# Altium PCB MOTHER_BOARD_V1.0_TEST.PcbDoc (part 2 of 2)
Units mm, origin at the board's own origin, x right, y up, seen from the top; angles counter-clockwise.
Board outline 320 x 91 mm, 6 copper layers (Top Layer, Layer 2, Layer 3, Layer 4, Layer 5, Bottom Layer), stack 1.509 mm thick; 140 components, 446 nets, 1029 pads, 95 vias.
Unrouted connection lines stored in the file: 1411.
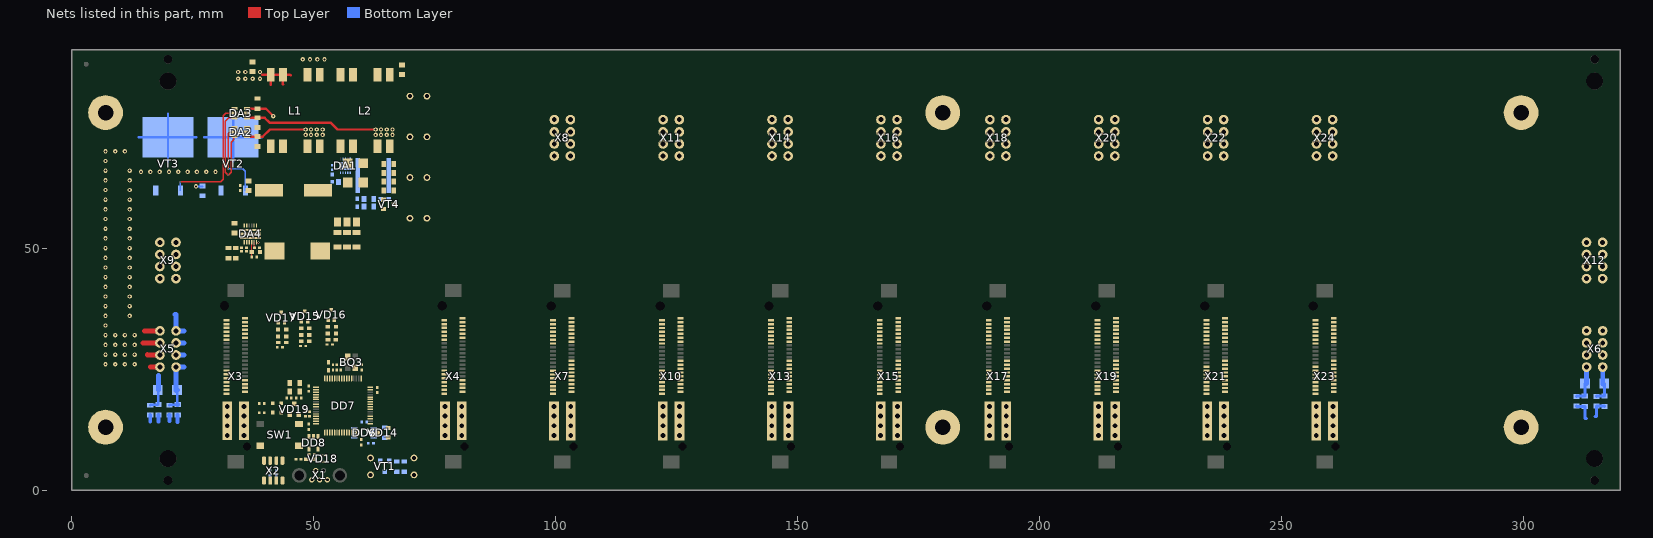
[diagram p6: the nets of this part, all layers, seen from the top]

## Via types
v1: diameter 0.9, hole 0.4, Top Layer to Bottom Layer, tented both sides, 91 vias
v2: diameter 0.4, hole 0.2, Top Layer to Bottom Layer, tented both sides, 4 vias

## Nets (pads, with @x,y where several pads share a name; then routed paths per layer and width w, separated by ;. In a path a pad name is that pad's centre, name@x,y a point inside that pad or via, vN(x,y) a via of type N, cw(c..) or ccw(c..) an arc to the next point about the centre after c; other vN are vias at no path point)
6390_INT: 
+1V1: 
+1V2: 
+1V5: 
+2V5: X7.27 X10.27 X13.27 X15.27 X17.27 X19.27 X21.27 X23.27
+3V3: C179.2 DD6.8 X7.28 X10.28 X13.28 X15.28 X17.28 X19.28 X21.28 X23.28
+3V3_BMC: C183.2 C185.2 C186.2 C187.2 C188.1 DA1.8 DD7.1 DD7.19 DD7.32 DD7.48 DD7.64 DD8.4 L3.2 L19.2 R2.1 R3.2 R4.2 R6.2 R7.2 R70.2 R71.2 R72.2 R73.2 R74.2 R75.2 VT1.2 X2.7 X2.8
+5V0: C21.1 C22.1 C23.1 L5.2 R12.2 R14.2 R15.2 R16.2 R17.2 VT4.2
+5V0_PG: DA4.5 DD7.17
+U_PoE: X8.1 X8.3 X8.5 X8.7 X11.1 X11.3 X11.5 X11.7 X14.1 X14.3 X14.5 X14.7 X16.1 X16.3 X16.5 X16.7 X18.1 X18.3 X18.5 X18.7 X20.1 X20.3 X20.5 X20.7 X22.1 X22.3 X22.5 X22.7 X24.1 X24.3 X24.5 X24.7
+U_PoE1: X9.1 X9.3 X9.5 X9.7
+U_PoE2: X12.1 X12.3 X12.5 X12.7
-U_PoE: X8.2 X8.4 X8.6 X8.8 X9.2 X9.4 X9.6 X9.8 X11.2 X11.4 X11.6 X11.8 X12.2 X12.4 X12.6 X12.8 X14.2 X14.4 X14.6 X14.8 X16.2 X16.4 X16.6 X16.8 X18.2 X18.4 X18.6 X18.8 X20.2 X20.4 X20.6 X20.8 X22.2 X22.4 X22.6 X22.8 X24.2 X24.4 X24.6 X24.8
AGND: C5.1 C8.1 C9.1 C10.1 C11.1 C12.1 C13.2 C14.2 C15.1 C16.1 C17.1 C18.1 C19.1 DA1.3@56.545,65.575 DA1.10 DA1.11 DA2.2 DA2.3 DA3.2 DA4.2 DA4.9 DA4.11 K1.1 K2.1 K3.1 L1.6 L1.7 L2.6 L2.7 L4.1 R1.1 R5.2 R8.2 R10.1 X3.P5 X3.P6 X3.P7 X3.P8 X4.P5 X4.P6 X4.P7 X4.P8 X7.P5 X7.P6 X7.P7 X7.P8 X10.P5 X10.P6 X10.P7 X10.P8 X13.P5 X13.P6 X13.P7 X13.P8 X15.P5 X15.P6 X15.P7 X15.P8 X17.P5 X17.P6 X17.P7 X17.P8 X19.P5 X19.P6 X19.P7 X19.P8 X21.P5 X21.P6 X21.P7 X21.P8 X23.P5 X23.P6 X23.P7 X23.P8 | length 1.6
  Bottom Layer w0.3: C13.2@27.025,62.75 C13.2@27.025,62.825
  Bottom Layer w0.4: v1@25.45,62.75 C13.2@27.025,62.75
  other v1: 25.7,62.75
BMC_ADC1: C176.2 DD7.15 R58.2 R59.2 VD15.3
BMC_ADC2: C177.2 DD7.14 R60.2 R61.2 VD16.3
BMC_ADC3: C178.2 DD7.16 R62.2 R63.2 VD17.3
BMC_LED1: DD7.24 HL2.1
BMC_LED2: DD7.25 HL1.1
BMC_SYS_PWR_ON: DD7.22 R9.2
BMC_USB_N: DD7.44 VD18.4
BMC_USB_P: DD7.45 VD18.6
BUF_P9_SGMII_RX_N: X4.39
BUF_P9_SGMII_RX_P: X4.37
BUF_P9_SGMII_TX_N: X4.33
BUF_P9_SGMII_TX_P: X4.31
BUF_P10_SGMII_RX_N: X4.40
BUF_P10_SGMII_RX_P: X4.38
BUF_P10_SGMII_TX_N: X4.34
BUF_P10_SGMII_TX_P: X4.32
CPU_MDC: DD7.33 X3.6
CPU_MDIO: DD7.34 X3.8
CPU_PTP_SYNC: X3.10 X4.10
CPU_TXRX_A_N: X3.38
CPU_TXRX_A_P: X3.37
CPU_TXRX_B_N: X3.40
CPU_TXRX_B_P: X3.39
CPU_TXRX_C_N: X3.32
CPU_TXRX_C_P: X3.31
CPU_TXRX_D_N: X3.34
CPU_TXRX_D_P: X3.33
DBG_USB_N: VD18.3 X1.2
DBG_USB_P: VD18.1 X1.3
EE_DOUT: 
GND: C21.2 C22.2 C23.2 C175.2 C176.1 C177.1 C178.1 C179.1 C180.2 C181.2 C182.1 C183.1 C184.1 C185.1 C186.1 C187.1 C188.2 DD6.5 DD7.12 DD7.18 DD7.31 DD7.47 DD7.60 DD7.63 DD8.2 DD8.5 K1.2 K2.2 K3.2 R13.2 R59.1 R61.1 R63.1 R65.2 SC4.2 SC6.2 SW1.2 SW1.4 VD14.3 VD15.1 VD16.1 VD17.1 VD18.2 VT1.1 VT4.1 X1.5 X2.1 X2.3 X2.5 X3.1 X3.3 X3.5 X3.7 X3.29 X3.30 X3.35 X3.36 X4.1 X4.3 X4.5 X4.7 X4.29 X4.30 X4.35 X4.36 X7.1 X7.3 X7.5 X7.7 X7.29 X7.30 X7.35 X7.36 X10.1 X10.3 X10.5 X10.7 X10.29 X10.30 X10.35 X10.36 X13.1 X13.3 X13.5 X13.7 X13.29 X13.30 X13.35 X13.36 X15.1 X15.3 X15.5 X15.7 X15.29 X15.30 X15.35 X15.36 X17.1 X17.3 X17.5 X17.7 X17.29 X17.30 X17.35 X17.36 X19.1 X19.3 X19.5 X19.7 X19.29 X19.30 X19.35 X19.36 X21.1 X21.3 X21.5 X21.7 X21.16 X21.29 X21.30 X21.35 X21.36 X23.1 X23.3 X23.5 X23.7 X23.16 X23.29 X23.30 X23.35 X23.36
GND_BMC: L4.2 SC2.2
MCU_RESET: VD19.1 X2.2
MCU_SCL: DD7.29 DD8.1 R75.1
MCU_SDA: DD7.30 DD8.3 R74.1
MCU_SWC: DD7.49 R73.1 X2.4
MCU_SWD: DD7.46 R70.1 X2.6
NetBQ1_1: 
NetBQ1_3: 
NetBQ2_1: 
NetBQ2_3: 
NetBQ3_1: BQ3.1 C180.1 DD7.5
NetBQ3_3: BQ3.3 C181.1 DD7.6
NetC10_2: C10.2 DA1.4
NetC11_2: C11.2 C12.2 R2.2
NetC16_2: C16.2 R11.1
NetC17_2: C17.2 DA4.14 | length 1.1
  Top Layer w0.2: C17.2@37.675,50.25 37.825,50.1 C17.2@37.85,50.1 ; C17.2@37.675,50.35 DA4.14@37.675,51.2
NetC19_2: C19.2 DA4.12 R11.2
NetC20_1: C20.1 DA4.8 L5.1
NetC20_2: C20.2 DA4.6
NetC29_1: 
NetC29_2: 
NetC30_1: 
NetC30_2: 
NetC31_1: 
NetC31_2: 
NetC32_1: 
NetC32_2: 
NetC67_1: 
NetC68_1: 
NetC69_1: 
NetC70_1: 
NetC73_2: 
NetC74_2: 
NetC75_2: 
NetC76_2: 
NetC111_2: 
NetC112_2: 
NetC113_2: 
NetC114_2: 
NetC115_2: 
NetC116_2: 
NetC117_2: 
NetC118_2: 
NetC119_2: 
NetC120_2: 
NetC121_2: 
NetC122_2: 
NetC123_2: 
NetC124_2: 
NetC125_2: 
NetC126_2: 
NetC127_1: 
NetC128_1: 
NetC129_1: 
NetC130_1: 
NetC131_1: 
NetC132_1: 
NetC133_1: 
NetC134_1: 
NetC135_1: 
NetC136_1: 
NetC137_1: 
NetC138_1: 
NetC139_1: 
NetC140_1: 
NetC141_1: 
NetC142_1: 
NetC143_1: 
NetC144_1: 
NetC145_1: 
NetC146_1: 
NetC147_1: 
NetC148_1: 
NetC149_1: 
NetC150_1: 
NetC151_1: 
NetC152_1: 
NetC153_1: 
NetC154_1: 
NetC155_1: 
NetC156_1: 
NetC157_1: 
NetC158_1: 
NetC159_2: 
NetC160_2: 
NetC161_2: 
NetC162_2: 
NetC163_2: 
NetC164_2: 
NetC165_2: 
NetC166_2: 
NetC167_2: 
NetC168_2: 
NetC169_2: 
NetC170_2: 
NetC171_2: 
NetC172_2: 
NetC173_2: 
NetC174_2: 
NetC175_1: C175.1 L18.1 X1.1
NetC189_2: 
NetDA1_1: DA1.1@57.545,65.575 L3.1
NetDA1_5: DA1.5 R1.2
NetDA2_5: DA2.5 VT2.1 | length 16.5
  Top Layer w0.3: v2(32.309,66.409) 32.309,73.594 32.677,73.962 DA2.5@33.643,73.962
  Bottom Layer w0.3: v2(32.309,66.409) 35.341,66.409 35.903,65.847 VT2.1@35.903,61.892
NetDA3_5: DA3.5 VT3.1 | length 26.6
  Top Layer w0.3: v2(22.438,63.675) 30.775,63.675 31.3,64.2 31.3,77.325 31.854,77.879 DA3.5@33.643,77.879
  Bottom Layer w0.3: v2(22.438,63.675) 22.445,63.675 VT3.1@22.445,61.892
NetDA4_10: DA4.10 R10.2
NetDA4_13: DA4.13 R12.1 R13.1 | length 3
  Top Layer w0.2: R12.1@37.175,49.2 R12.1@37.188,49.188 ; DA4.13@37.175,51.2 37.188,51.188 R12.1@37.188,49.188 ; R13.1@37.2,48.2 37.188,48.213 R12.1@37.188,49.188 ; R12.1@37.2,49.175 R12.1@37.188,49.188
NetDA5_4: 
NetDA6_4: 
NetDA7_4: 
NetDA8_4: 
NetDA10_5: 
NetDA11_5: 
NetDD1_48: 
NetDD2_6: 
NetDD3_2: 
NetDD3_3: 
NetDD4_5: 
NetDD4_10: 
NetDD4_11: 
NetDD4_12: 
NetDD4_13: 
NetDD4_15: 
NetDD4_76: 
NetDD4_102: 
NetDD7_7: DD7.7 VD19.3
NetHL1_2: HL1.2 R71.1
NetHL2_2: HL2.2 R72.1
NetL15_2: L15.2 R58.1
NetL16_2: L16.2 R60.1
NetL17_2: L17.2 R62.1
NetL18_2: L18.2 VD18.5
NetR3_1: R3.1 R4.1 SC1.1 VT1.3
NetR14_1: R14.1 R15.1 R16.1 R17.1 SC3.1 SC5.1 VT4.3
NetR20_2: 
NetR21_1: 
NetSC1_2: SC1.2 SC2.1
NetSC3_2: SC3.2 SC4.1
NetSC5_2: SC5.2 SC6.1
NetSW1_3: SW1.3 VD19.2
P0_AVDDH: 
P0_AVDDL: 
P0_AVDDL_PLL: 
P0_DVDDH: 
P0_DVDDL: 
P0_LED1: 
P0_LED2: 
P0_RX_CLK: 
P0_RX_DV: 
P0_RXD0: 
P0_RXD1: 
P0_RXD2: 
P0_RXD3: 
P0_TX_CLK: 
P0_TX_EN: 
P0_TXD0: 
P0_TXD1: 
P0_TXD2: 
P0_TXD3: 
P0_TXRX_A_N: 
P0_TXRX_A_P: 
P0_TXRX_B_N: 
P0_TXRX_B_P: 
P0_TXRX_C_N: 
P0_TXRX_C_P: 
P0_TXRX_D_N: 
P0_TXRX_D_P: 
P1_MDC: DD7.51 X7.6
P1_MDIO: DD7.52 X7.8
P1_PTP_SYNC: X7.10
P1_RESET: X7.12
P1_SW_ADDR0: X7.9
P1_SW_ADDR1: X7.11
P1_SW_ADDR2: X7.13
P1_SW_ADDR3: X7.15
P1_SW_ADDR4: X7.17
P1_TXRX_A_N: X7.38
P1_TXRX_A_P: X7.40
P1_TXRX_B_N: X7.37
P1_TXRX_B_P: X7.39
P1_TXRX_C_N: X7.32
P1_TXRX_C_P: X7.34
P1_TXRX_D_N: X7.31
P1_TXRX_D_P: X7.33
P2_MDC: DD7.39 X10.6
P2_MDIO: DD7.40 X10.8
P2_PTP_SYNC: X10.10
P2_RESET: X10.12
P2_SW_ADDR0: X10.9
P2_SW_ADDR1: X10.11
P2_SW_ADDR2: X10.13
P2_SW_ADDR3: X10.15
P2_SW_ADDR4: X10.17
P2_TXRX_A_N: X10.38
P2_TXRX_A_P: X10.40
P2_TXRX_B_N: X10.37
P2_TXRX_B_P: X10.39
P2_TXRX_C_N: X10.32
P2_TXRX_C_P: X10.34
P2_TXRX_D_N: X10.31
P2_TXRX_D_P: X10.33
P3_MDC: DD7.8 X13.6
P3_MDIO: DD7.9 X13.8
P3_PTP_SYNC: X13.10
P3_RESET: X13.12
P3_SW_ADDR0: X13.9
P3_SW_ADDR1: X13.11
P3_SW_ADDR2: X13.13
P3_SW_ADDR3: X13.15
P3_SW_ADDR4: X13.17
P3_TXRX_A_N: X13.38
P3_TXRX_A_P: X13.40
P3_TXRX_B_N: X13.37
P3_TXRX_B_P: X13.39
P3_TXRX_C_N: X13.32
P3_TXRX_C_P: X13.34
P3_TXRX_D_N: X13.31
P3_TXRX_D_P: X13.33
P4_MDC: DD7.10 X15.6
P4_MDIO: DD7.11 X15.8
P4_PTP_SYNC: X15.10
P4_RESET: X15.12
P4_SW_ADDR0: X15.9
P4_SW_ADDR1: X15.11
P4_SW_ADDR2: X15.13
P4_SW_ADDR3: X15.15
P4_SW_ADDR4: X15.17
P4_TXRX_A_N: X15.38
P4_TXRX_A_P: X15.40
P4_TXRX_B_N: X15.37
P4_TXRX_B_P: X15.39
P4_TXRX_C_N: X15.32
P4_TXRX_C_P: X15.34
P4_TXRX_D_N: X15.31
P4_TXRX_D_P: X15.33
P5_MDC: DD7.35 X17.6
P5_MDIO: DD7.36 X17.8
P5_PTP_SYNC: X17.10
P5_RESET: X17.12
P5_SW_ADDR0: X17.9
P5_SW_ADDR1: X17.11
P5_SW_ADDR2: X17.13
P5_SW_ADDR3: X17.15
P5_SW_ADDR4: X17.17
P5_TXRX_A_N: X17.38
P5_TXRX_A_P: X17.40
P5_TXRX_B_N: X17.37
P5_TXRX_B_P: X17.39
P5_TXRX_C_N: X17.32
P5_TXRX_C_P: X17.34
P5_TXRX_D_N: X17.31
P5_TXRX_D_P: X17.33
P6_MDC: DD7.37 X19.6
P6_MDIO: DD7.38 X19.8
P6_PTP_SYNC: X19.10
P6_RESET: X19.12
P6_SW_ADDR0: X19.9
P6_SW_ADDR1: X19.11
P6_SW_ADDR2: X19.13
P6_SW_ADDR3: X19.15
P6_SW_ADDR4: X19.17
P6_TXRX_A_N: X19.38
P6_TXRX_A_P: X19.40
P6_TXRX_B_N: X19.37
P6_TXRX_B_P: X19.39
P6_TXRX_C_N: X19.32
P6_TXRX_C_P: X19.34
P6_TXRX_D_N: X19.31
P6_TXRX_D_P: X19.33
P7_MDC: DD7.56 X21.6
P7_MDIO: DD7.57 X21.8
P7_PTP_SYNC: X21.10
P7_RESET: X21.12
P7_SW_ADDR0: X21.9
P7_SW_ADDR1: X21.11
P7_SW_ADDR2: X21.13
P7_SW_ADDR3: X21.15
P7_SW_ADDR4: X21.17
P7_TXRX_A_N: X21.38
P7_TXRX_A_P: X21.40
P7_TXRX_B_N: X21.37
P7_TXRX_B_P: X21.39
P7_TXRX_C_N: X21.32
P7_TXRX_C_P: X21.34
P7_TXRX_D_N: X21.31
P7_TXRX_D_P: X21.33
P8_MDC: DD7.58 X23.6
P8_MDIO: DD7.59 X23.8
P8_PTP_SYNC: X23.10
P8_RESET: X23.12
P8_SW_ADDR0: X23.9
P8_SW_ADDR1: X23.11
P8_SW_ADDR2: X23.13
P8_SW_ADDR3: X23.15
P8_SW_ADDR4: X23.17
P8_TXRX_A_N: X23.38
P8_TXRX_A_P: X23.40
P8_TXRX_B_N: X23.37
P8_TXRX_B_P: X23.39
P8_TXRX_C_N: X23.32
P8_TXRX_C_P: X23.34
P8_TXRX_D_N: X23.31
P8_TXRX_D_P: X23.33
P9_P10_MDC: X4.6
P9_P10_MDIO: X4.8
P9_SGMII_RX_N: 
P9_SGMII_RX_P: 
P9_SGMII_TX_N: 
P9_SGMII_TX_P: 
P10_SGMII_RX_N: 
P10_SGMII_RX_P: 
P10_SGMII_TX_N: 
P10_SGMII_TX_P: 
PHY1_TXRX_A_N: 
PHY1_TXRX_A_P: 
PHY1_TXRX_B_N: 
PHY1_TXRX_B_P: 
PHY1_TXRX_C_N: 
PHY1_TXRX_C_P: 
PHY1_TXRX_D_N: 
PHY1_TXRX_D_P: 
PHY2_TXRX_A_N: 
PHY2_TXRX_A_P: 
PHY2_TXRX_B_N: 
PHY2_TXRX_B_P: 
PHY2_TXRX_C_N: 
PHY2_TXRX_C_P: 
PHY2_TXRX_D_N: 
PHY2_TXRX_D_P: 
PHY3_TXRX_A_N: 
PHY3_TXRX_A_P: 
PHY3_TXRX_B_N: 
PHY3_TXRX_B_P: 
PHY3_TXRX_C_N: 
PHY3_TXRX_C_P: 
PHY3_TXRX_D_N: 
PHY3_TXRX_D_P: 
PHY4_TXRX_A_N: 
PHY4_TXRX_A_P: 
PHY4_TXRX_B_N: 
PHY4_TXRX_B_P: 
PHY4_TXRX_C_N: 
PHY4_TXRX_C_P: 
PHY4_TXRX_D_N: 
PHY4_TXRX_D_P: 
PHY5_TXRX_A_N: 
PHY5_TXRX_A_P: 
PHY5_TXRX_B_N: 
PHY5_TXRX_B_P: 
PHY5_TXRX_C_N: 
PHY5_TXRX_C_P: 
PHY5_TXRX_D_N: 
PHY5_TXRX_D_P: 
PHY6_TXRX_A_N: 
PHY6_TXRX_A_P: 
PHY6_TXRX_B_N: 
PHY6_TXRX_B_P: 
PHY6_TXRX_C_N: 
PHY6_TXRX_C_P: 
PHY6_TXRX_D_N: 
PHY6_TXRX_D_P: 
PHY7_TXRX_A_N: 
PHY7_TXRX_A_P: 
PHY7_TXRX_B_N: 
PHY7_TXRX_B_P: 
PHY7_TXRX_C_N: 
PHY7_TXRX_C_P: 
PHY7_TXRX_D_N: 
PHY7_TXRX_D_P: 
PHY8_TXRX_A_N: 
PHY8_TXRX_A_P: 
PHY8_TXRX_B_N: 
PHY8_TXRX_B_P: 
PHY8_TXRX_C_N: 
PHY8_TXRX_C_P: 
PHY8_TXRX_D_N: 
PHY8_TXRX_D_P: 
PVIN: C13.1 C14.1 C15.2 C18.2 DA2.6 DA3.6 DA4.1 DA4.7 L17.1 VT2.3 VT3.3 X3.P1 X3.P2 X3.P3 X3.P4 X4.P1 X4.P2 X4.P3 X4.P4 X7.P1 X7.P2 X7.P3 X7.P4 X10.P1 X10.P2 X10.P3 X10.P4 X13.P1 X13.P2 X13.P3 X13.P4 X15.P1 X15.P2 X15.P3 X15.P4 X17.P1 X17.P2 X17.P3 X17.P4 X19.P1 X19.P2 X19.P3 X19.P4 X21.P1 X21.P2 X21.P3 X21.P4 X23.P1 X23.P2 X23.P3 X23.P4 | length 22.1
  Top Layer w0.3: DA2.6@33.643,73.012 33.635,73.012 33.475,72.852 33.475,72.375 32.95,71.85 32.95,65.675 v2(32.35,65.075) 31.728,65.697 31.728,76.178 32.479,76.929 DA3.6@33.643,76.929
PVIN_BMC: C5.2 DA1.2@57.045,65.575 DA1.7 VD1.2 VD2.2
RESET_FROM_CPU: X3.12 X4.12
RS485_AB_N: DD6.7 R64.1 VD14.1 X3.4 X4.4 X7.4 X10.4 X13.4 X15.4 X17.4 X19.4 X21.4 X23.4
RS485_AB_P: DD6.6 R64.2 VD14.2 X3.2 X4.2 X7.2 X10.2 X13.2 X15.2 X17.2 X19.2 X21.2 X23.2
SHIELD: C1.2 C2.1 C3.2 C4.1 pad.M3 RU1.1 RU2.2 RU3.1 RU4.2 | length 14.6
  Bottom Layer w0.6: C3.2@310.95,17.35 310.95,17.25 RU3.1@312.675,17.25 312.675,14.75 313.025,14.75 ; 314.775,15.2 315.05,15.2 C4.1@315.05,17.35 316.725,17.35 RU4.2@316.725,17.25
  Bottom Layer w0.8: 16.233,14.125 C1.2@16.233,15.541 ; 17.917,14.175 RU1.1@17.917,15.517 ; C2.1@20.05,15.541 C2.1@20.202,15.541 20.202,14.25
  Bottom Layer w0.83: 21.886,14.025 RU2.2@21.886,15.517
SW_MDC: DD7.28
SW_MDIO: DD7.55
SW_PHY_MDC: 
SW_PHY_MDIO: 
SYS_PWR_ON: DA4.15 R8.1 R9.1 X3.14 X4.14 X7.14 X10.14 X13.14 X15.14 X17.14 X19.14 X21.14 X23.14 | length 0.5
  Top Layer w0.2: DA4.15@38.175,51.2 38.175,51.165 38.215,51.125 v2(38.625,51.125)
SYS_RESET: 
UART_DIR: DD6.2 DD6.3 DD7.41 R65.1
UART_RXD: DD6.1 DD7.43
UART_TXD: DD6.4 DD7.42
VCC_ADC: C182.2 C184.2 DD7.13 L19.1 VD15.2 VD16.2 VD17.2
VIN1: C8.2 DA2.1 DA3.3 L1.9 L1.10 L15.1 R5.1 VD1.1 VT2.4 | length 40.5
  Top Layer w0.5: DA2.1@36.263,73.012 36.271,73.02 38.425,73.02 C8.2@38.43,73.025 ; DA3.3@36.263,78.829 36.268,78.824 38.403,78.824 R5.1@38.408,78.819 40.106,78.819 v1(41.65,77.275) ; C8.2@38.433,73.028 C8.2@38.43,73.025 ; v1(48.342,74.5) 40.95,74.5 39.475,73.025 C8.2@38.43,73.025
  Bottom Layer w0.5: 27.358,72.892 VT2.4@33.363,72.892 ; 33.35,67.9 33.363,67.9 VT2.4@33.363,72.892 ; 33.375,77.75 33.363,77.75 VT2.4@33.363,72.892 ; 39.233,72.892 VT2.4@33.363,72.892
  other v1: 48.342,73.4 49.442,73.4 50.642,73.4 51.842,73.4 49.442,74.5 50.642,74.5 51.842,74.5
VIN1+: C1.1 C6.2 L1.1 L1.2 RU1.2 VD3.2 X5.1 X5.3 X5.5 X5.7 | length 19.3
  Top Layer w1: 14.75,30.45 14.75,30.406 X5.3@18.235,30.406 ; 15.025,32.906 X5.1@18.235,32.906 ; 15.6,28 15.6,27.906 X5.5@18.235,27.906 ; 16.25,25.475 16.25,25.406 X5.7@18.235,25.406
  Bottom Layer w0.5: C1.1@16.233,17.541 16.321,17.629 17.829,17.629 RU1.2@17.917,17.717 17.917,20.658 VD3.2@17.905,20.671
  Bottom Layer w1: 17.875,23.675 17.905,23.645 VD3.2@17.905,20.671
  other v1: 7,26 9,26 11,26 13,26 7,28 9,28 11,28 13,28 7,30 9,30 11,30 13,30 7,32 9,32 11,32 13,32 7,34 7,36 7,38 7,40 7,42 7,44 7,46 7,48 7,50 7,52 7,54 7,56 7,58 7,60 7,62 7,64 7,66 7,68 7,70 9,70 11,70 47.75,89 49.25,89 50.75,89 52.25,89
VIN1-: C2.2 C6.1 L1.4 L1.5 RU2.1 VD3.1 X5.2 X5.4 X5.6 X5.8 | length 30.6
  Top Layer w0.5: 39.392,85.833 45.117,85.833 45.225,85.725 ; L1.5@41.108,85.833 41.108,83.775 41.15,83.775 ; L1.4@43.648,85.833 43.648,83.8 43.7,83.8
  Bottom Layer w0.5: C2.2@20.202,17.541 20.29,17.629 21.798,17.629 RU2.1@21.886,17.717 ; RU2.1@21.82,17.717 VD3.1@21.82,20.605
  Bottom Layer w1: 21.325,36.3 21.565,36.3 X5.2@21.565,32.906 23.25,32.906 ; VD3.1@21.55,21.025 VD3.1@21.565,21.01 ; VD3.1@21.565,20.55 VD3.1@21.565,21.01 ; X5.6@21.565,27.906 23.25,27.906 ; X5.4@21.565,30.406 23.25,30.406 ; VD3.1@21.755,20.671 VD3.1@21.82,20.605 ; RU2.1@21.82,17.717 RU2.1@21.886,17.717 ; VD3.1@21.905,20.671 VD3.1@21.565,21.01 ; 23.25,25.406 X5.8@21.565,25.406 VD3.1@21.565,21.01
  other v1: 11.975,36 11.975,38 11.975,40 11.975,42 11.975,44 11.975,46 11.975,48 11.975,50 11.975,52 11.975,54 11.975,56 11.975,58 11.975,60 11.975,62 11.975,64 14.325,65.75 16.25,65.75 18.175,65.75 20.1,65.75 22.025,65.75 23.95,65.75 25.875,65.75 27.8,65.75 29.725,65.75 11.975,66 34.4,85 35.9,85 37.4,85 38.9,85 34.4,86.4 35.9,86.4 38.9,86.4
VIN1_STATE: DA2.4 DD7.21 R6.1
VIN2: C9.2 DA3.1 L2.9 L2.10 L16.1 VD2.1 VT3.4 | length 49.3
  Top Layer w0.5: DA3.1@36.263,76.929 36.266,76.932 38.43,76.932 C9.2@38.433,76.935 39.865,76.935 40.875,75.925 53.475,75.925 54.9,74.5 v1(62.8,74.5)
  Bottom Layer w0.5: 13.9,72.9 13.9,72.892 VT3.4@19.905,72.892 ; 19.905,67.9 VT3.4@19.905,72.892 ; 19.905,77.75 VT3.4@19.905,72.892 ; 25.775,72.85 25.775,72.892 VT3.4@19.905,72.892
  other v1: 62.8,73.4 63.9,73.4 65.1,73.4 66.3,73.4 63.9,74.5 65.1,74.5 66.3,74.5
VIN2+: C3.1 C7.2 L2.1 L2.2 RU3.2 VD4.2 X6.1 X6.3 X6.5 X6.7 | length 7.8
  Bottom Layer w0.6: C3.1@310.95,19.35 311,19.4 312.625,19.4 RU3.2@312.675,19.45 312.675,22.017 VD4.2@312.7,22.041
  Bottom Layer w1: VD4.2@313.035,22.029 X6.7@313.035,25.416
VIN2-: C4.2 C7.1 L2.4 L2.5 RU4.1 VD4.1 X6.2 X6.4 X6.6 X6.8 | length 7.9
  Bottom Layer w0.6: C4.2@315.05,19.35 315.1,19.4 316.675,19.4 RU4.1@316.725,19.45 316.725,22.016 VD4.1@316.7,22.041
  Bottom Layer w1: VD4.1@316.365,21.875 X6.8@316.365,25.416
VIN2_STATE: DA3.4 DD7.20 R7.1
pads on no net: BQ3.2 BQ3.4 DA1.0 DA1.1@58.075,67.225 DA1.2@55.015,67.225 DA1.3@55.015,66.725 DA1.6 DA1.9 DA4.0 DA4.3 DA4.4 DD7.2 DD7.3 DD7.4 DD7.23 DD7.26 DD7.27 DD7.50 DD7.53 DD7.54 DD7.61 DD7.62 SW1.1 X1.4 X1.SH1 X1.SH2 X3.0 X3.9 X3.11 X3.13 X3.15 X3.16 X3.17 X3.18 X3.19 X3.20 X3.21 X3.22 X3.23 X3.24 X3.25 X3.26 X3.27 X3.28 X3.MO X4.0 X4.9 X4.11 X4.13 X4.15 X4.16 X4.17 X4.18 X4.19 X4.20 X4.21 X4.22 X4.23 X4.24 X4.25 X4.26 X4.27 X4.28 X4.MO X7.0 X7.16 X7.18 X7.19 X7.20 X7.21 X7.22 X7.23 X7.24 X7.25 X7.26 X7.MO X10.0 X10.16 X10.18 X10.19 X10.20 X10.21 X10.22 X10.23 X10.24 X10.25 X10.26 X10.MO X13.0 X13.16 X13.18 X13.19 X13.20 X13.21 X13.22 X13.23 X13.24 X13.25 X13.26 X13.MO X15.0 X15.16 X15.18 X15.19 X15.20 X15.21 X15.22 X15.23 X15.24 X15.25 X15.26 X15.MO X17.0 X17.16 X17.18 X17.19 X17.20 X17.21 X17.22 X17.23 X17.24 X17.25 X17.26 X17.MO X19.0 X19.16 X19.18 X19.19 X19.20 X19.21 X19.22 X19.23 X19.24 X19.25 X19.26 X19.MO X21.0 X21.18 X21.19 X21.20 X21.21 X21.22 X21.23 X21.24 X21.25 X21.26 X21.MO X23.0 X23.18 X23.19 X23.20 X23.21 X23.22 X23.23 X23.24 X23.25 X23.26 X23.MO

## Polygon pours and split planes (outlines as drawn)
SHIELD on Bottom Layer "SHIELD_L06_P015" (solid, remove dead copper, pour order 15): 320,17.125 294.375,17.125 294.375,0 320,0
PVIN on Bottom Layer "PVIN_L06_P014" (solid, remove dead copper, pour order 14): 15.15,63.675 15.15,59.375 32.825,59.375 32.825,60.625 32.825,63.675
SHIELD on Bottom Layer "SHIELD_L06_P013" (solid, remove dead copper, pour order 13): 22.3,14.767 11.1,14.767 11.1,12.875 22.3,12.875
VIN1+ on Bottom Layer "VIN1+_L06_P012" (solid, remove dead copper, pour order 12): 53.2,83.275 53.2,91 46.825,91 46.825,83.275
VIN1- on Bottom Layer "Q" (solid, remove dead copper, pour order 11): 24.125,24.9 24.125,37.625 13.7,37.625 13.7,64.425 30.5,64.425 30.5,66.575 13,66.575 13,67.525 10.175,67.525 10.175,35.206 22.767,35.206 22.767,24.9
VIN1+ on Bottom Layer "VIN1+_L06_P010" (solid, remove dead copper, pour order 10): 19.825,34.45 19.825,23.325 5.501,23.325 5.501,72.499 13,72.499 13,68.325 9.4,68.325 9.4,34.45
VIN2 on Bottom Layer "VIN2_L06_P007" (solid, remove dead copper, pour order 7): 26.2,67.2 13.6,67.2 13.6,78.7 23.4,78.7 23.4,82.2 67.2,82.2 67.2,72.7 61.7,72.7 61.7,79 26.2,79
VIN1 on Bottom Layer "VIN1_L06_P005" (solid, remove dead copper, pour order 5): 52.742,72.7 39.8,72.7 39.8,67.2 27,67.2 27,78.1 52.742,78.1
SHIELD on Bottom Layer "SHIELD_L06_P000" (solid, remove dead copper, pour order 0): 0,91 11.5,91 11.5,73.5 4.5,73.5 4.5,17.5 11.5,17.5 11.5,0 0,0
VIN1- on Top Layer "VIN1-_L01_P001" (solid, remove dead copper, pour order 1): 19.825,34.475 10.175,34.475 10.175,67.525 28.125,67.525 28.125,87.225 46.075,87.225 46.075,83.275 30.825,83.275 30.825,64.425 13.7,64.425 13.7,37.625 23.5,37.625 23.5,23.325 19.825,23.325
VIN1+ on Top Layer "VIN1+_L01_P009" (solid, remove dead copper, pour order 9): 16.975,24.9 16.975,33.425 9.4,33.425 9.4,68.325 27.5,68.325 27.5,87.75 46.825,87.75 46.825,83.275 53.2,83.275 53.2,90.025 25.05,90.025 25.05,79.925 11.5,79.925 11.5,72.525 4.5,72.525 4.5,24.9
VIN1 on Top Layer "VIN1_L01_P008" (solid, remove dead copper, pour order 8): 47.242,69 52.742,69 52.742,75.1 47.242,75.1
VIN2 on Top Layer "VIN2_L01_P004" (solid, remove dead copper, pour order 4): 61.7,69 67.2,69 67.2,75.1 61.7,75.1
SHIELD on Top Layer "Q" (solid, remove dead copper, pour order 3): 0,91 11.5,91 11.5,73.5 4.5,73.5 4.5,17.5 11.5,17.5 11.5,0 0,0
no net on Layer 5 (split plane): 319.49,17.125 294.375,17.125 294.375,0.51 12,0.51 12,18 5,18 5,23.048 23.7,23.048 23.765,23.056 23.826,23.082 23.878,23.122 23.918,23.174 23.944,23.235 23.952,23.3 23.952,37.6 23.944,37.665 23.918,37.726 23.878,37.778 23.826,37.818 23.765,37.844 23.7,37.852 13.952,37.852 13.952,63.948 31.4,63.948 31.465,63.956 31.526,63.982 31.578,64.022 31.618,64.074 31.644,64.135 31.652,64.2 31.652,83.023 46.5,83.023 46.565,83.031 46.626,83.057 46.678,83.097 46.718,83.149 46.744,83.21 46.752,83.275 46.752,87.348 53.7,87.348 53.765,87.356 53.826,87.382 53.878,87.422 53.918,87.474 53.944,87.535 53.952,87.6 53.952,90.49 319.49,90.49
VIN1- on Layer 5 (split plane): 46.248,83.527 31.4,83.527 31.335,83.519 31.274,83.493 31.222,83.453 31.182,83.401 31.156,83.34 31.148,83.275 31.148,64.452 13.7,64.452 13.635,64.444 13.574,64.418 13.522,64.378 13.482,64.326 13.456,64.265 13.448,64.2 13.448,37.6 13.456,37.535 13.482,37.474 13.522,37.422 13.574,37.382 13.635,37.356 13.7,37.348 23.448,37.348 23.448,23.552 20.152,23.552 20.152,34.7 20.144,34.765 20.118,34.826 20.078,34.878 20.026,34.918 19.965,34.944 19.9,34.952 9.952,34.952 9.952,67.648 27.5,67.648 27.565,67.656 27.626,67.682 27.678,67.722 27.718,67.774 27.744,67.835 27.752,67.9 27.752,87.348 46.248,87.348
VIN1+ on Layer 5 (split plane): 53.448,87.852 27.5,87.852 27.435,87.844 27.374,87.818 27.322,87.778 27.282,87.726 27.256,87.665 27.248,87.6 27.248,68.152 9.7,68.152 9.635,68.144 9.574,68.118 9.522,68.078 9.482,68.026 9.456,67.965 9.448,67.9 9.448,34.7 9.456,34.635 9.482,34.574 9.522,34.522 9.574,34.482 9.635,34.456 9.7,34.448 19.648,34.448 19.648,23.552 5,23.552 5,73 12,73 12,79.65 23.25,79.65 23.25,90.49 53.448,90.49
no net on Layer 2 (split plane): 319.49,17.125 294.375,17.125 294.375,0.51 12,0.51 12,18 5,18 5,23.048 23.7,23.048 23.765,23.056 23.826,23.082 23.878,23.122 23.918,23.174 23.944,23.235 23.952,23.3 23.952,37.6 23.944,37.665 23.918,37.726 23.878,37.778 23.826,37.818 23.765,37.844 23.7,37.852 13.952,37.852 13.952,63.948 31.4,63.948 31.465,63.956 31.526,63.982 31.578,64.022 31.618,64.074 31.644,64.135 31.652,64.2 31.652,83.023 46.5,83.023 46.565,83.031 46.626,83.057 46.678,83.097 46.718,83.149 46.744,83.21 46.752,83.275 46.752,87.348 53.7,87.348 53.765,87.356 53.826,87.382 53.878,87.422 53.918,87.474 53.944,87.535 53.952,87.6 53.952,90.49 319.49,90.49
VIN1- on Layer 2 (split plane): 46.248,83.527 31.4,83.527 31.335,83.519 31.274,83.493 31.222,83.453 31.182,83.401 31.156,83.34 31.148,83.275 31.148,64.452 13.7,64.452 13.635,64.444 13.574,64.418 13.522,64.378 13.482,64.326 13.456,64.265 13.448,64.2 13.448,37.6 13.456,37.535 13.482,37.474 13.522,37.422 13.574,37.382 13.635,37.356 13.7,37.348 23.448,37.348 23.448,23.552 20.152,23.552 20.152,34.7 20.144,34.765 20.118,34.826 20.078,34.878 20.026,34.918 19.965,34.944 19.9,34.952 9.952,34.952 9.952,67.648 27.5,67.648 27.565,67.656 27.626,67.682 27.678,67.722 27.718,67.774 27.744,67.835 27.752,67.9 27.752,87.348 46.248,87.348
VIN1+ on Layer 2 (split plane): 53.448,87.852 27.5,87.852 27.435,87.844 27.374,87.818 27.322,87.778 27.282,87.726 27.256,87.665 27.248,87.6 27.248,68.152 9.7,68.152 9.635,68.144 9.574,68.118 9.522,68.078 9.482,68.026 9.456,67.965 9.448,67.9 9.448,34.7 9.456,34.635 9.482,34.574 9.522,34.522 9.574,34.482 9.635,34.456 9.7,34.448 19.648,34.448 19.648,23.552 5,23.552 5,73 12,73 12,79.648 23,79.648 23.065,79.656 23.126,79.682 23.178,79.722 23.218,79.774 23.244,79.835 23.252,79.9 23.252,90.49 53.448,90.49

## Keep-outs
Top Layer:
  rectangle: 310.125,80.875 320,91
  rectangle: 310.05,0.05 319.95,10.175
  region: 294.375,17.125 294.375,0.05 319.95,0.05 319.95,17.125
Layer 3:
  region: 294.425,17.075 294.425,0 320,0 320,17.075
Layer 4:
  region: 294.425,17.075 294.425,0 320,0 320,17.075
Bottom Layer:
  rectangle: 310.125,80.875 320,91
  rectangle: 310.1,0 320,10.125
Keep-Out Layer:
  region: 0,30.1 0,48.2 7.963,48.2 7.963,65.9 17.463,65.9 17.463,82.8 23.088,82.8 23.088,7.8 17.463,7.8 17.463,11.1 7.963,11.1 7.963,30.1
  region: 283.911,30.105 283.911,48.205 302.011,48.205 302.011,65.905 311.511,65.905 311.511,82.805 320.011,82.805 320.011,7.805 311.511,7.805 311.511,11.105 302.011,11.105 302.011,30.105
  lines w0.1: 0,0 0,91 320,91 320,0 0,0

## Other copper
Top Layer:
  pour cut-out: 1.5,88 ccw(c3,88) 3,86.5 ccw(c3,88) 4.5,88 ccw(c3,88) 3,89.5 ccw(c3,88)
  pour cut-out: 1.5,3 ccw(c3,3) 3,1.5 ccw(c3,3) 4.5,3 ccw(c3,3) 3,4.5 ccw(c3,3)
  pour cut-out: 42.158,87.225 42.158,86.075 42.598,86.075 42.598,87.225
Layer 3:
  pour cut-out: 12,91 12,73 5,73 5,18 12,18 12,0 0,0 0,91
Layer 4:
  pour cut-out: 12,91 12,73 5,73 5,18 12,18 12,0 0,0 0,91
Bottom Layer:
  pour cut-out: 4.5,3 cw(c3,3) 3,1.5 cw(c3,3) 1.5,3 cw(c3,3) 3,4.5 cw(c3,3)
  pour cut-out: 4.5,88 cw(c3,88) 3,86.5 cw(c3,88) 1.5,88 cw(c3,88) 3,89.5 cw(c3,88)
  pour cut-out: 310.075,17.125 310.075,16.15 318.941,16.15 318.941,17.125
  pour cut-out: 20.65,63.675 20.65,60.65 24.175,60.65 24.175,63.675
Layer 2 (plane layer: these items are gaps in the copper):
  pour cut-out: 294.375,0 294.375,17.125 320,17.125 320,0
  pour cut-out: 11.8,79.9 11.8,90.55 23,90.55 23,79.9
  pour cut-out: 12,91 12,73 5,73 5,18 12,18 12,0 0,0 0,91
  lines w0.5: 4,23.3 19.9,23.3 ; 46.5,87.6 46.5,83.275 31.4,83.275 31.4,64.2 13.7,64.2 13.7,37.6 23.7,37.6 23.7,23.3 19.9,23.3 ; 53.7,91 53.7,87.6 27.5,87.6 27.5,67.9 9.7,67.9 9.7,34.7 19.9,34.7 19.9,23.3 ; 11.8,90.55 11.8,79.9 23,79.9 23,90.55 ; 11.8,90.55 23,90.55 ; 11.8,90.55 23,90.55
Layer 5 (plane layer: these items are gaps in the copper):
  pour cut-out: 294.375,0 294.375,17.125 320,17.125 320,0
  pour cut-out: 11.975,79.65 11.975,90.7 23.25,90.7 23.25,79.65
  pour cut-out: 12,91 12,73 5,73 5,18 12,18 12,0 0,0 0,91
  lines w0.5: 4,23.3 19.9,23.3 19.9,34.7 9.7,34.7 9.7,67.9 27.5,67.9 27.5,87.6 53.7,87.6 53.7,91 ; 19.425,23.3 23.7,23.3 23.7,37.6 13.7,37.6 13.7,64.2 31.4,64.2 31.4,83.275 46.5,83.275 46.5,87.6

## Silkscreen, mask and mechanical layers (free items; w line width, h text height)
Top Overlay:
  circle w0.254: c33.875,34.625 r3.806
  circle w0.25: c180,13 r4
  circle w0.25: c299.5,13 r4
  circle w0.25: c299.5,78 r4
  circle w0.25: c180,78 r4
  circle w0.25: c7,13 r4
  circle w0.25: c7,78 r4
  region: 24.475,10.125 15.3,10.125 15.3,0.225 24.475,0.225
  region: 319.525,10.125 310.1,10.125 310.1,0.225 319.525,0.225
  rectangle: 310.125,80.875 319.525,90.775
  rectangle: 15.325,80.875 24.5,90.775
  lines w0.5: 0.45,0.45 0.45,90.55 319.55,90.55 319.55,0.45 0.45,0.45
Bottom Overlay:
  circle w0.25: c314.7,84.5 r3.25
  circle w0.25: c19.9,84.5 r3.25
  circle w0.25: c314.7,6.5 r3.25
  circle w0.25: c19.9,6.5 r3.25
  circle w0.25: c180,13 r4
  circle w0.25: c180,78 r4
  circle w0.25: c299.5,13 r4
  circle w0.25: c299.5,78 r4
  circle w0.25: c7,13 r4
  circle w0.25: c7,78 r4

## Text inside footprints (layer, text, board x,y; h text height)
HL1: Top Overlay "+" at 40.285,16.325 h0.76 r270
HL2: Top Overlay "+" at 40.285,18.232 h0.76 r270
X5: Mechanical 1 "2" at 21.175,21.531 h1; Mechanical 1 "1" at 18.1,21.531 h1; Mechanical 1 "2" at 21.175,35.656 h1; Mechanical 1 "1" at 18.1,35.656 h1
X6: Mechanical 1 "2" at 315.975,21.541 h1; Mechanical 1 "1" at 312.9,21.541 h1; Mechanical 1 "2" at 315.975,35.666 h1; Mechanical 1 "1" at 312.9,35.666 h1
X8: Mechanical 1 "2" at 102.658,65.155 h1; Mechanical 1 "1" at 99.583,65.155 h1; Mechanical 1 "2" at 102.658,79.28 h1; Mechanical 1 "1" at 99.583,79.28 h1
X9: Mechanical 1 "2" at 21.156,39.815 h1; Mechanical 1 "1" at 18.081,39.815 h1; Mechanical 1 "2" at 21.156,53.94 h1; Mechanical 1 "1" at 18.081,53.94 h1
X11: Mechanical 1 "1" at 122.083,79.28 h1; Mechanical 1 "2" at 125.158,79.28 h1; Mechanical 1 "2" at 125.158,65.155 h1; Mechanical 1 "1" at 122.083,65.155 h1
X12: Mechanical 1 "2" at 315.956,39.815 h1; Mechanical 1 "1" at 312.881,39.815 h1; Mechanical 1 "2" at 315.956,53.94 h1; Mechanical 1 "1" at 312.881,53.94 h1
X14: Mechanical 1 "1" at 144.584,65.155 h1; Mechanical 1 "2" at 147.659,65.155 h1; Mechanical 1 "2" at 147.659,79.28 h1; Mechanical 1 "1" at 144.584,79.28 h1
X16: Mechanical 1 "2" at 170.159,65.155 h1; Mechanical 1 "1" at 167.084,65.155 h1; Mechanical 1 "2" at 170.159,79.28 h1; Mechanical 1 "1" at 167.084,79.28 h1
X18: Mechanical 1 "1" at 189.585,65.155 h1; Mechanical 1 "2" at 192.66,65.155 h1; Mechanical 1 "2" at 192.66,79.28 h1; Mechanical 1 "1" at 189.585,79.28 h1
X20: Mechanical 1 "1" at 212.085,79.28 h1; Mechanical 1 "2" at 215.16,79.28 h1; Mechanical 1 "2" at 215.16,65.155 h1; Mechanical 1 "1" at 212.085,65.155 h1
X22: Mechanical 1 "1" at 234.585,65.155 h1; Mechanical 1 "2" at 237.66,65.155 h1; Mechanical 1 "2" at 237.66,79.28 h1; Mechanical 1 "1" at 234.585,79.28 h1
X24: Mechanical 1 "1" at 257.086,79.28 h1; Mechanical 1 "2" at 260.161,79.28 h1; Mechanical 1 "2" at 260.161,65.155 h1; Mechanical 1 "1" at 257.086,65.155 h1